# KiCad board isw-trishna-pcb.kicad_pcb
title: ISW-TRISHNA; rev: 1.1
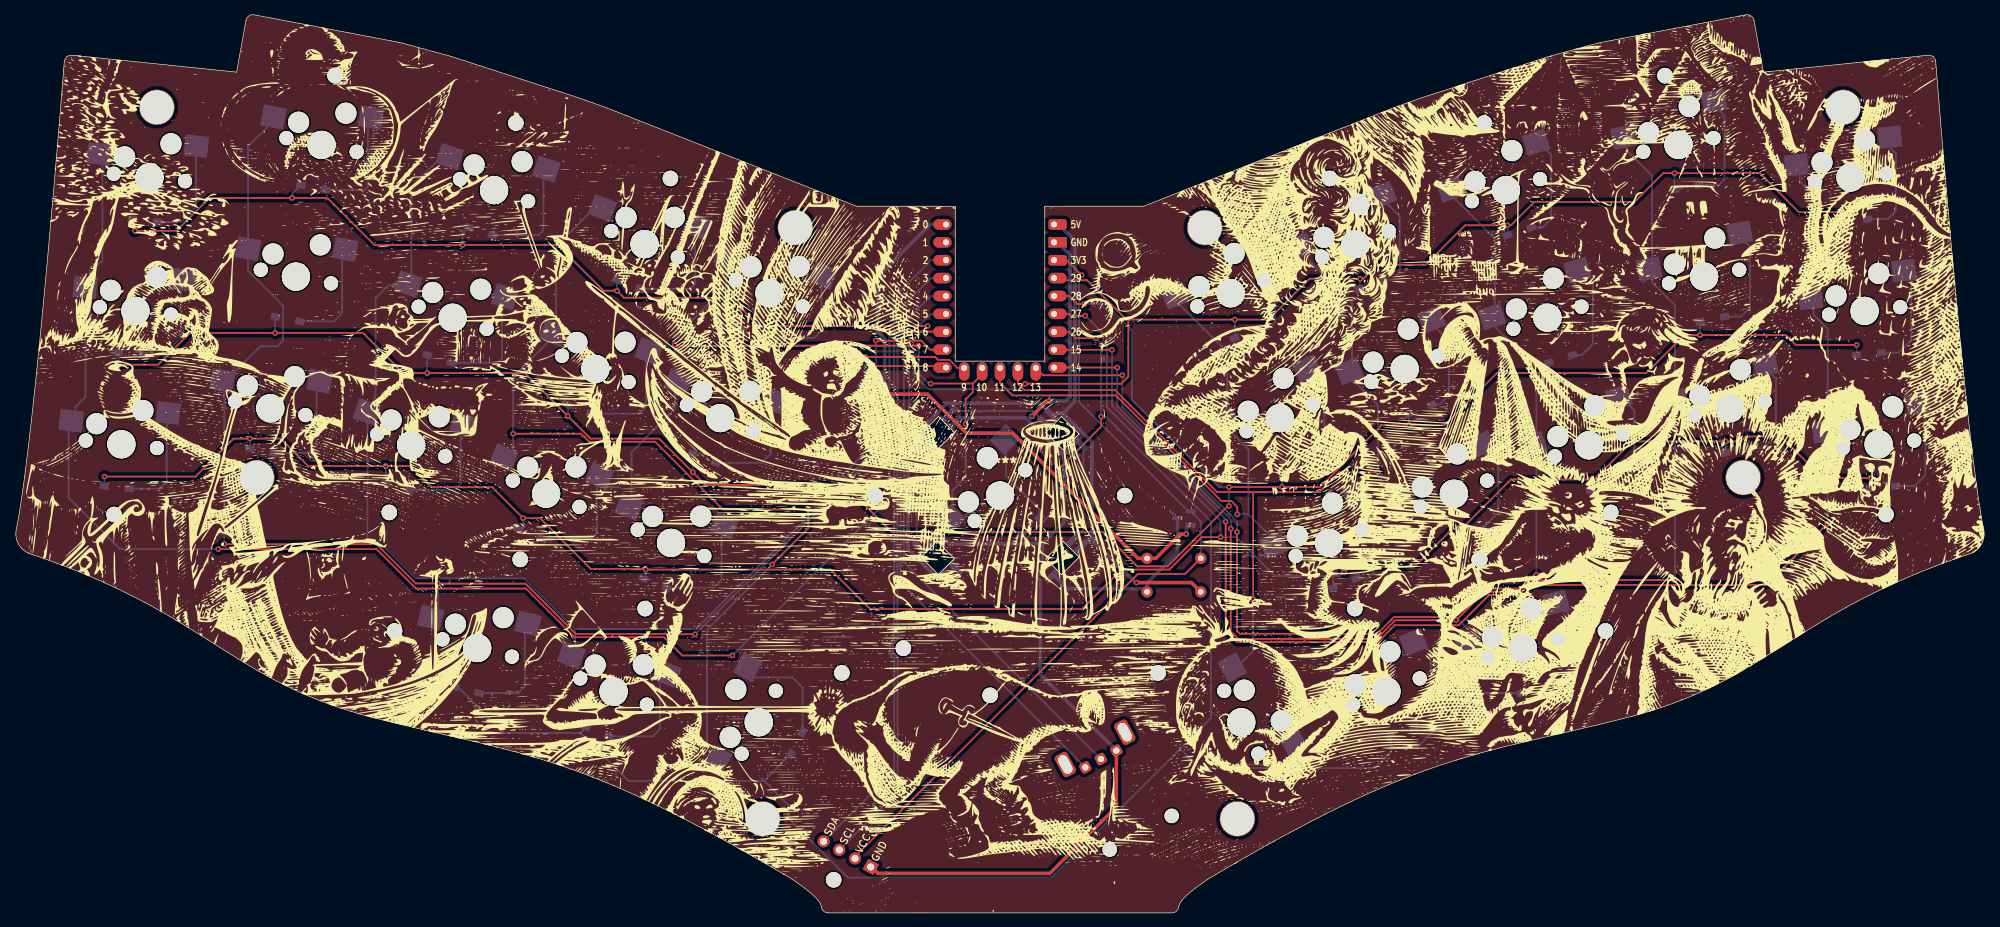
[diagram p0: board, top side]
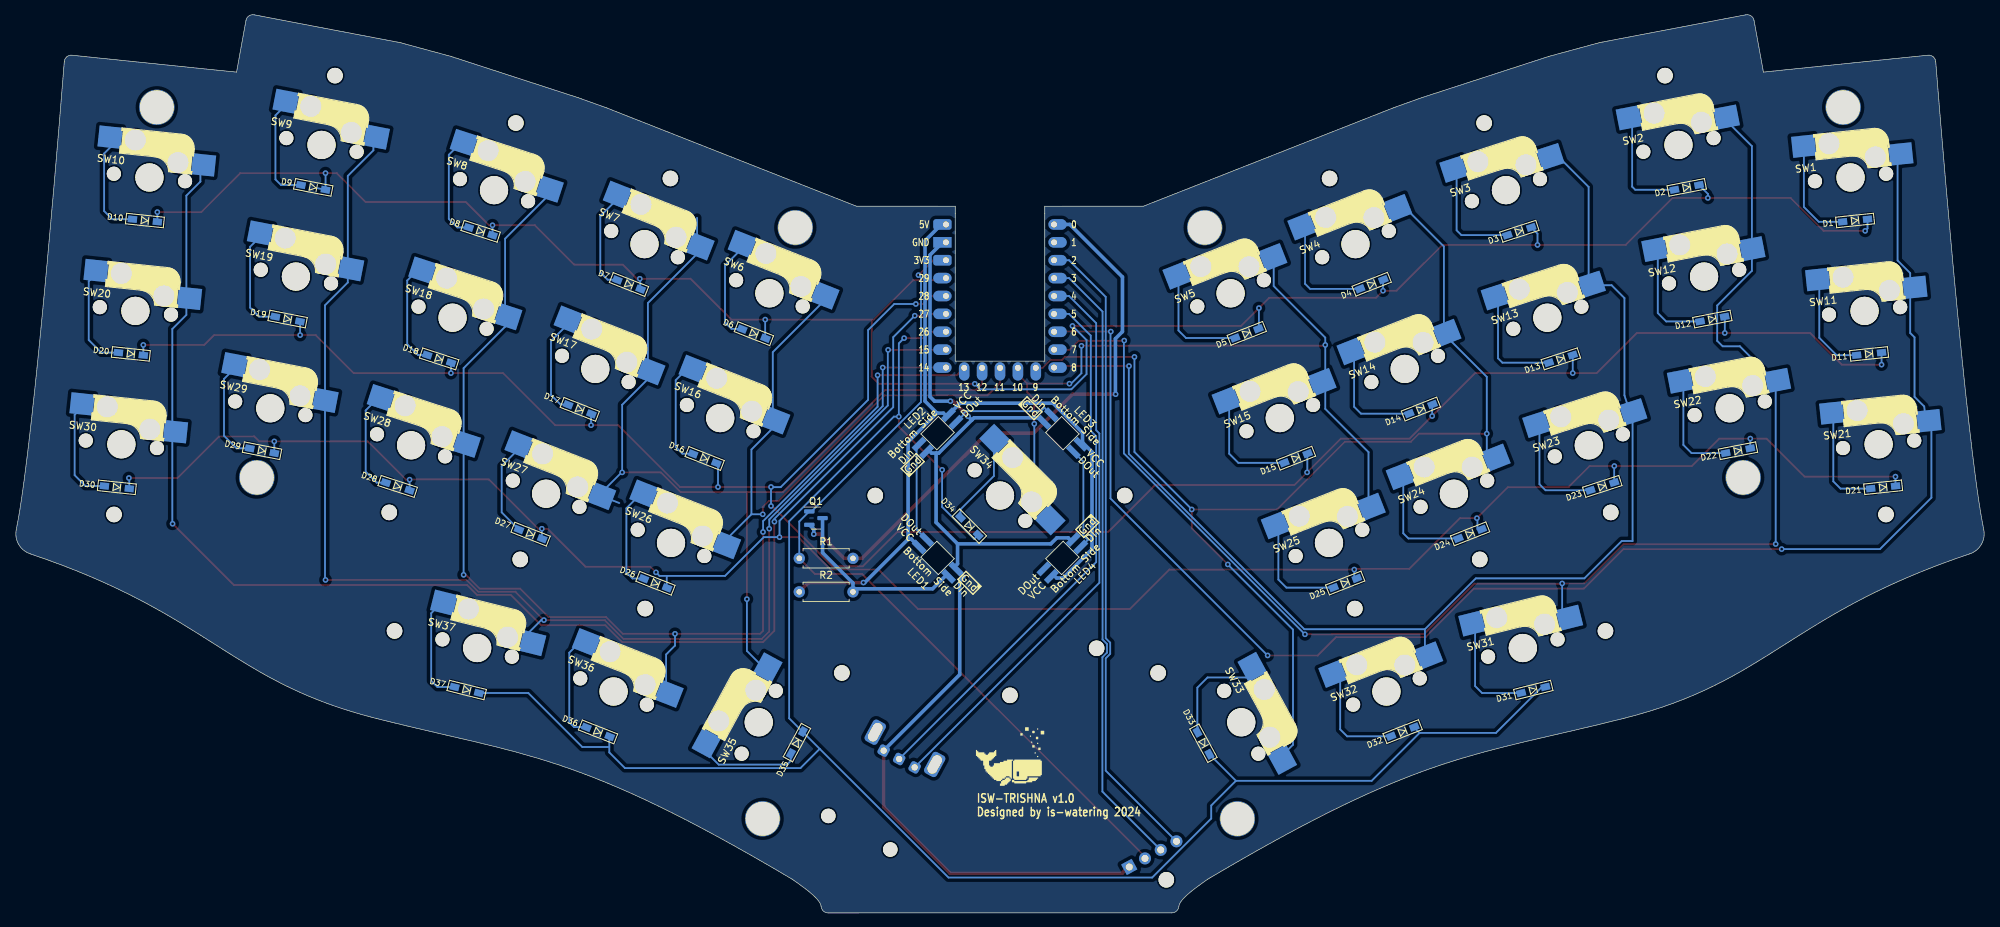
[diagram p1: board, bottom side, seen from below]

Outline 279.83 x 127.65 mm; copper layers: Top, Bottom. Coordinates in mm from the lower left corner of the outline.
Outline path: 8.23,121.81 31.57,119.41 32.91,126.76 ; 34.08,127.55 54.8,123.6 62,121.65 80.11,115.76 84.1,114.33 101.82,107.35 ; 101.82,107.35 119.54,100.37 133.56,100.36 133.56,99.36 ; 146.26,99.36 146.26,100.36 160.29,100.37 178.01,107.35 195.73,114.33 199.72,115.76 217.83,121.65 225.03,123.6 245.75,127.55 ; 246.92,126.76 248.26,119.41 271.6,121.81

## Placement (name value [footprint] x y rotation side)
D1  D  [Diode_SMD]  18.57 98.34 354 top
D2  D  [Diode_SMD]  42.46 103.04 349 top
D3  D  [Diode_SMD]  66.21 96.81 342 top
D4  D  [Diode_SMD]  87.17 89.28 338.5 top
D5  D  [Diode_SMD]  104.89 82.3 338.5 top
D6  D  [Diode_SMD]  174.84 82.26 21.5 top
D7  D  [Diode_SMD]  192.56 89.25 21.5 top
D8  D  [Diode_SMD]  213.62 96.8 18 top
D9  D  [Diode_SMD]  237.37 103.04 11 top
D10  D  [Diode_SMD]  261.26 98.34 6 top
D11  D  [Diode_SMD]  16.58 79.39 354 top
D12  D  [Diode_SMD]  38.82 84.34 349 top
D13  D  [Diode_SMD]  60.33 78.69 342 top
D14  D  [Diode_SMD]  80.18 71.56 338.5 top
D15  D  [Diode_SMD]  97.91 64.58 338.5 top
D16  D  [Diode_SMD]  181.82 64.54 21.5 top
D17  D  [Diode_SMD]  199.55 71.52 21.5 top
D18  D  [Diode_SMD]  219.5 78.69 18 top
D19  D  [Diode_SMD]  241.01 84.34 11 top
D20  D  [Diode_SMD]  263.25 79.39 6 top
D21  D  [Diode_SMD]  14.58 60.45 354 top
D22  D  [Diode_SMD]  35.19 65.64 349 top
D23  D  [Diode_SMD]  54.44 60.57 342 top
D24  D  [Diode_SMD]  73.2 53.84 338.5 top
D25  D  [Diode_SMD]  90.93 46.85 338.5 top
D26  D  [Diode_SMD]  188.8 46.81 21.5 top
D27  D  [Diode_SMD]  206.53 53.8 21.5 top
D28  D  [Diode_SMD]  225.39 60.57 18 top
D29  D  [Diode_SMD]  244.64 65.64 11 top
D30  D  [Diode_SMD]  265.25 60.45 6 top
D31  D  [Diode_SMD]  64.23 31.66 346 top
D32  D  [Diode_SMD]  82.77 25.75 338.5 top
D33  D  [Diode_SMD]  111.05 24.1 61.5 top
D34  D  [Diode_SMD]  144.26 54.93 45 top
D35  D  [Diode_SMD]  168.73 24.19 298.5 top
D36  D  [Diode_SMD]  196.96 25.71 21.5 top
D37  D  [Diode_SMD]  215.6 31.66 14 top
G***  LOGO  [f_bg]  139.91 63.84 0 top
G***#2  LOGO  [logomark_m]  138.4 21.78 180 bottom
J1  OLED-128x32  [StickPointV]  112.2 9.8 61.5 top
LED1  LED_SK6812MINI-E  [LED_SK6812MINI-E_BL]  148.77 50.42 45 top
LED2  LED_SK6812MINI-E  [LED_SK6812MINI-E_BL]  148.77 68.13 135 top
LED3  LED_SK6812MINI-E  [LED_SK6812MINI-E_BL]  131.06 68.13 225 top
LED4  LED_SK6812MINI-E  [LED_SK6812MINI-E_BL]  131.06 50.42 315 top
Q1  BSS138  [SOT-23]  166.03 56.07 180 bottom
R1  R  [R_Axial_DIN0207_L6.3mm_D2.5mm_P7.62mm_Horizontal]  168.4 50.36 180 bottom
R2  R  [R_Axial_DIN0207_L6.3mm_D2.5mm_P7.62mm_Horizontal]  168.4 45.6 180 bottom
RE_SW1  RotaryEncoder  [THQWGD001]  156.54 17.54 298.5 top
Ref1  Val1  [m2_Spacer_Hole]  20.26 114.42 0 top
Ref01  Val2  [m2_Screw_Hole]  45.54 118.91 0 top
Ref02  Val2  [m2_Screw_Hole]  71.21 112.18 0 top
Ref2  Val1  [m2_Spacer_Hole]  110.86 97.33 0 top
Ref03  Val2  [m2_Screw_Hole]  93.14 104.31 0 top
Ref3  Val1  [m2_Spacer_Hole]  168.97 97.33 0 top
Ref04  Val2  [m2_Screw_Hole]  186.69 104.31 0 top
Ref4  Val1  [m2_Spacer_Hole]  259.57 114.42 0 top
Ref05  Val2  [m2_Screw_Hole]  208.62 112.18 0 top
Ref5  Val1  [m2_Spacer_Hole]  245.38 61.83 0 top
Ref6  Val1  [m2_Spacer_Hole]  173.6 13.37 0 top
Ref06  Val2  [m2_Screw_Hole]  234.29 118.91 0 top
Ref07  Val2  [m2_Screw_Hole]  265.65 56.58 0 top
Ref7  Val1  [m2_Spacer_Hole]  106.23 13.36 0 top
Ref08  Val2  [m2_Screw_Hole]  226.59 56.88 0 top
Ref8  Val1  [m2_Spacer_Hole]  34.45 61.83 0 top
Ref09  Val2  [m2_Screw_Hole]  208 50.2 0 top
Ref010  Val2  [m2_Screw_Hole]  190.28 43.22 0 top
Ref011  Val2  [m2_Screw_Hole]  225.84 40.05 0 top
Ref012  Val2  [m2_Screw_Hole]  162.36 34.08 0 top
Ref013  Val2  [m2_Screw_Hole]  117.47 34.08 0 top
Ref014  Val2  [m2_Screw_Hole]  53.99 40.04 0 top
Ref015  Val2  [m2_Screw_Hole]  89.55 43.22 0 top
Ref016  Val2  [m2_Screw_Hole]  71.83 50.2 0 top
Ref017  Val2  [m2_Screw_Hole]  53.24 56.88 0 top
Ref018  Val2  [m2_Screw_Hole]  14.18 56.58 0 top
Ref019  Val2  [m2_Screw_Hole]  122.22 59.27 0 top
Ref020  Val2  [m2_Screw_Hole]  157.61 59.27 0 top
Ref021  Val2  [m2_Screw_Hole]  126.2 37.58 0 top
Ref022  Val2  [m2_Screw_Hole]  138.5 30.9 0 top
Ref23  Val2  [m2_Screw_Hole]  116.31 4.7 0 top
SW1  SW_Push  [CherryMX_Hotswap_1u]  19.21 104.45 354 top
SW2  SW_Push  [CherryMX_Hotswap_1u]  43.63 109.07 349 top
SW3  SW_Push  [CherryMX_Hotswap_1u]  68.11 102.65 342 top
SW4  SW_Push  [CherryMX_Hotswap_1u]  89.47 94.98 338.5 top
SW5  SW_Push  [CherryMX_Hotswap_1u]  107.19 88 338.5 top
SW6  SW_Push  [CherryMX_Hotswap_1u]  172.64 88 21.5 top
SW7  SW_Push  [CherryMX_Hotswap_1u]  190.36 94.98 21.5 top
SW8  SW_Push  [CherryMX_Hotswap_1u]  211.72 102.65 18 top
SW9  SW_Push  [CherryMX_Hotswap_1u]  236.2 109.07 11 top
SW10  SW_Push  [CherryMX_Hotswap_1u]  260.62 104.45 6 top
SW11  SW_Push  [CherryMX_Hotswap_1u]  17.22 85.5 354 top
SW12  SW_Push  [CherryMX_Hotswap_1u]  39.99 90.37 349 top
SW13  SW_Push  [CherryMX_Hotswap_1u]  62.24 84.53 342 top
SW14  SW_Push  [CherryMX_Hotswap_1u]  82.48 77.26 338.5 top
SW15  SW_Push  [CherryMX_Hotswap_1u]  100.21 70.28 338.5 top
SW16  SW_Push  [CherryMX_Hotswap_1u]  179.62 70.28 21.5 top
SW17  SW_Push  [CherryMX_Hotswap_1u]  197.35 77.26 21.5 top
SW18  SW_Push  [CherryMX_Hotswap_1u]  217.6 84.53 18 top
SW19  SW_Push  [CherryMX_Hotswap_1u]  239.84 90.37 11 top
SW20  SW_Push  [CherryMX_Hotswap_1u]  262.61 85.5 6 top
SW21  SW_Push  [CherryMX_Hotswap_1u]  15.23 66.56 354 top
SW22  SW_Push  [CherryMX_Hotswap_1u]  36.36 71.67 349 top
SW23  SW_Push  [CherryMX_Hotswap_1u]  56.35 66.41 342 top
SW24  SW_Push  [CherryMX_Hotswap_1u]  75.5 59.53 338.5 top
SW25  SW_Push  [CherryMX_Hotswap_1u]  93.23 52.55 338.5 top
SW26  SW_Push  [CherryMX_Hotswap_1u]  186.6 52.55 21.5 top
SW27  SW_Push  [CherryMX_Hotswap_1u]  204.33 59.53 21.5 top
SW28  SW_Push  [CherryMX_Hotswap_1u]  223.49 66.41 18 top
SW29  SW_Push  [CherryMX_Hotswap_1u]  243.47 71.67 11 top
SW30  SW_Push  [CherryMX_Hotswap_1u]  264.6 66.56 6 top
SW31  SW_Push  [CherryMX_Hotswap_1u]  65.72 37.62 346 top
SW32  SW_Push  [CherryMX_Hotswap_1u]  85.07 31.44 338.5 top
SW33  SW_Push  [CherryMX_Hotswap_1.5u]  105.67 27.08 61.5 top
SW34  SW_Push  [CherryMX_Hotswap_1u]  139.91 59.27 45 top
SW35  SW_Push  [CherryMX_Hotswap_1.5u]  174.16 27.08 298.5 top
SW36  SW_Push  [CherryMX_Hotswap_1u]  194.75 31.44 21.5 top
SW37  SW_Push  [CherryMX_Hotswap_1u]  214.11 37.62 14 top
U1  rp2040-zero  [RP2040-Zero-THT]  139.91 87.61 180 bottom

## Library data of the parts
D1-D37 = -: Sim.Pins: 1=K 2=A; ki_fp_filters: TO-???* *_Diode_* *SingleDiode* D_*
LED1-LED4 = -: Field4: Light Side
Q1 = -: Datasheet: https://www.onsemi.com/pub/Collateral/BSS138-D.PDF; ki_fp_filters: SOT?23*
R1 = -: Datasheet: 1K; ki_fp_filters: R_*
R2 = -: Datasheet: 560; ki_fp_filters: R_*
RE_SW1 = -: Description: Rotary encoder, dual channel, incremental quadrate outputs; ki_fp_filters: RotaryEncoder*

## Footprints (pads in the part's own frame, mm; a bottom-side part is the same pattern mirrored in y, then rotated)
CherryMX_Hotswap_1.5u
  round 2 hole 2 unplated: (-5.08,0) (5.08,0)
  round 3 hole 3 unplated: (-3.81,2.54) (2.54,5.08)
  round 4 hole 4 unplated: (0,0)
  rect 3.3x3 smd far side: 1(-7,2.58) 2(5.7,5.12)
CherryMX_Hotswap_1u
  round 2 hole 2 unplated: (-5.08,0) (5.08,0)
  round 3 hole 3 unplated: (-3.81,2.54) (2.54,5.08)
  round 4 hole 4 unplated: (0,0)
  rect 3.3x3 smd far side: 1(-7,2.58) 2(5.7,5.12)
Diode_SMD
  rect 1.3x0.95 smd far side: 1(-1.775,0) 2(1.775,0)
LED_SK6812MINI-E_BL
  rect 2.2x0.82 smd far side: 1(2.6,0.75) 2(-2.6,0.75) 3(-2.6,-0.75) 4(2.6,-0.75)
m2_Screw_Hole
  round 2.2 hole 2.2 unplated: (0,0)
m2_Spacer_Hole
  round 5 hole 4.8 unplated: (0,0)
R_Axial_DIN0207_L6.3mm_D2.5mm_P7.62mm_Horizontal
  round 1.6 hole 0.8: 1(0,0)
  oval 1.6x1.6 hole 0.8: 2(7.62,0)
RP2040-Zero-THT
  oval 2.6x1.5 hole 0.85: 0(7.67,10.16) 1(7.67,7.62) 2(7.67,5.08) 3(7.67,2.54) 4(7.67,0) 5(7.67,-2.54) 6(7.67,-5.08) 7(7.67,-7.62) 8(7.67,-10.16) 14(-7.67,-10.16) 15(-7.67,-7.62) 26(-7.67,-5.08) 27(-7.67,-2.54) 28(-7.67,0) 29(-7.67,2.54)
  oval 1.5x2.6 hole 0.85: 9(5.08,-10.21) 10(2.54,-10.21) 11(0,-10.21) 12(-2.54,-10.21) 13(-5.08,-10.21)
  rrect 2.6x1.5 hole 0.85: 30(-7.67,5.08) 32(-7.67,10.16)
  rect 2.6x1.5 hole 0.85: 31(-7.67,7.62)
SOT-23
  rrect 1.475x0.6 smd: 1(-0.938,0.95) 2(-0.938,-0.95) 3(0.938,0)
StickPointV
  rect 1.7x1.7 hole 1: 1(1.6,-9.8)
  round 1.7 hole 1: 2(1.6,-7.26) 3(1.6,-4.72) 4(1.6,-2.18)
THQWGD001
  round 2.05 hole 2.05 unplated: (7,5) (7,-5)
  rrect 1.5x1.5 hole 0.9: A(-4.9,-2.475) B(-4.9,0.025) C(-4.9,2.525)
  rrect 3.4x2 hole 2.8x1.4: MP(-6.625,4.825) MP(-6.625,-4.775)

## Nets
+3V3: J1.2 Q1.1 R1.1 U1.30
+5V: LED1.4 LED2.4 LED3.4 LED4.4 R2.1 U1.32
GND: J1.1 LED1.2 LED2.2 LED3.2 LED4.2 RE_SW1.C U1.31
Col0: SW1.1 SW11.1 SW21.1 U1.6
Col1: SW2.1 SW12.1 SW22.1 SW31.1 U1.7
Col2: SW3.1 SW13.1 SW23.1 SW32.1 U1.8
Col3: SW4.1 SW14.1 SW24.1 SW33.1 U1.9
Col4: SW5.1 SW15.1 SW25.1 SW34.1 U1.10
Col5: SW6.1 SW16.1 SW26.1 U1.11
Col6: SW7.1 SW17.1 SW27.1 SW35.1 U1.12
Col7: SW8.1 SW18.1 SW28.1 SW36.1 U1.13
Col8: SW9.1 SW19.1 SW29.1 SW37.1 U1.14
Col9: SW10.1 SW20.1 SW30.1 U1.15
LED3.3V: Q1.2 R1.2 U1.0
LED5V: LED1.3 Q1.3 R2.2
RE0A: RE_SW1.A U1.4
RE0B: RE_SW1.B U1.5
Row0: D1.1 D2.1 D3.1 D4.1 D5.1 D6.1 D7.1 D8.1 D9.1 D10.1 U1.29
Row1: D11.1 D12.1 D13.1 D14.1 D15.1 D16.1 D17.1 D18.1 D19.1 D20.1 U1.28
Row2: D21.1 D22.1 D23.1 D24.1 D25.1 D26.1 D27.1 D28.1 D29.1 D30.1 U1.27
Row3: D31.1 D32.1 D33.1 D34.1 D35.1 D36.1 D37.1 U1.26
SCL: J1.3 U1.3
SDA: J1.4 U1.2
Net-(D1-A): D1.2 SW1.2
Net-(D2-A): D2.2 SW2.2
Net-(D3-A): D3.2 SW3.2
Net-(D4-A): D4.2 SW4.2
Net-(D5-A): D5.2 SW5.2
Net-(D6-A): D6.2 SW6.2
Net-(D7-A): D7.2 SW7.2
Net-(D8-A): D8.2 SW8.2
Net-(D9-A): D9.2 SW9.2
Net-(D10-A): D10.2 SW10.2
Net-(D11-A): D11.2 SW11.2
Net-(D12-A): D12.2 SW12.2
Net-(D13-A): D13.2 SW13.2
Net-(D14-A): D14.2 SW14.2
Net-(D15-A): D15.2 SW15.2
Net-(D16-A): D16.2 SW16.2
Net-(D17-A): D17.2 SW17.2
Net-(D18-A): D18.2 SW18.2
Net-(D19-A): D19.2 SW19.2
Net-(D20-A): D20.2 SW20.2
Net-(D21-A): D21.2 SW21.2
Net-(D22-A): D22.2 SW22.2
Net-(D23-A): D23.2 SW23.2
Net-(D24-A): D24.2 SW24.2
Net-(D25-A): D25.2 SW25.2
Net-(D26-A): D26.2 SW26.2
Net-(D27-A): D27.2 SW27.2
Net-(D28-A): D28.2 SW28.2
Net-(D29-A): D29.2 SW29.2
Net-(D30-A): D30.2 SW30.2
Net-(D31-A): D31.2 SW31.2
Net-(D32-A): D32.2 SW32.2
Net-(D33-A): D33.2 SW33.2
Net-(D34-A): D34.2 SW34.2
Net-(D35-A): D35.2 SW35.2
Net-(D36-A): D36.2 SW36.2
Net-(D37-A): D37.2 SW37.2
Net-(LED1-DOUT): LED1.1 LED2.3
Net-(LED2-DOUT): LED2.1 LED3.3
Net-(LED3-DOUT): LED3.1 LED4.3

Pads without a net: LED4 1; RE_SW1 MP; U1 1

## Via types
v1: diameter 0.8, hole 0.4, Top to Bottom, 76 vias

## Routing (per net, layer and track width the routed paths; a pad name or vN(x,y) marks a point on that pad's centre or on a via; arc(x,y) is an arc through that point)
+3V3: length 119.4
  Top w0.25: R1.1 166.18,48.14 159.47,48.14 119.34,8 J1.2 ; U1.30 149.37,92.69 v1(151.48,90.58)
  Bottom w0.25: R1.1 168.4,55.59 Q1.1 166.65,57.02 151.13,72.54 151.13,90.23 v1(151.48,90.58)
+5V: length 118
  Top w0.5: v1(159.29,46.92) 167.08,46.92 R2.1
  Bottom w0.5: v1(159.29,46.92) 159.1,46.92 152.95,53.07 ; 128.21,66.82 128.21,68.2 132.39,72.38 145.58,72.38 147.46,70.5 147.94,70.98 148.86,70.98 ; 128.21,66.82 LED3.4 ; 128.21,66.82 126.86,65.47 126.86,51.66 130.95,47.56 131.88,47.56 LED4.4 ; U1.32 148.23,97.77 150.55,95.46 150.55,72.67 148.86,70.98 ; 148.86,70.98 152.95,66.88 152.95,53.07 ; LED1.4 152.49,53.07 152.95,53.07
GND: length 162.6
  Top w0.5: v1(146.95,72.68) 146.59,72.68 v1(144.45,70.53) ; RE_SW1.C 156.42,15.05 146.99,5.61 122.6,5.61 121.6,6.61
  Bottom w0.5: 148.98,65.31 148.98,55.46 145.94,52.42 ; 148.98,65.31 149.62,65.31 LED2.2 ; 148.98,65.31 148.61,65.31 143.91,70 ; LED3.2 134.31,70.32 143.59,70.32 143.91,70 ; 143.91,70 v1(144.45,70.53) ; U1.31 148.04,95.23 149.84,93.44 149.84,73.32 149.2,72.68 v1(146.95,72.68) ; RE_SW1.C 145.63,33.84 145.63,47.19 145.06,47.76 LED1.2 145.94,49.57 145.94,52.42 ; 145.94,52.42 132.7,52.42 131.85,53.27 130.23,53.27 LED4.2
Col0: length 217.5
  Top w0.25: v1(124.18,82.56) 132.22,82.56 U1.6 ; v1(28.98,51.66) 51.44,51.66 57.03,46.06 72.64,46.06 79.53,39.16 92.21,39.16 94.81,36.56 v1(101.94,36.56)
  Bottom w0.25: v1(28.98,51.66) 15.04,51.66 7.73,58.96 7.73,69.05 SW21.1 8.75,71.92 10.13,73.3 10.13,81.75 10.74,82.36 10.74,90.87 12.54,92.66 12.54,107.73 SW1.1 ; v1(101.94,36.56) 124.24,58.86 124.24,82.51 v1(124.18,82.56)
Col1: length 209.3
  Top w0.25: v1(122.28,81.29) 122.31,81.26 128.74,81.26 130,79.99 U1.7 ; v1(96.64,39.56) 92.78,39.56 92.73,39.61 79.72,39.61 72.57,46.76 60.16,46.76 v1(60.14,46.79) 57.01,46.79 51.44,52.36 29.86,52.36 v1(29.83,52.39)
  Bottom w0.25: v1(29.83,52.39) 29.83,75.39 SW22.1 34.91,80.47 37.36,80.47 38.13,81.25 38.13,86.27 33.21,91.19 33.21,108.9 SW2.1 ; SW31.1 60.14,42.4 v1(60.14,46.79) ; v1(122.28,81.29) 122.34,81.24 122.34,65.26 v1(96.64,39.56)
Col2: length 176.4
  Top w0.25: U1.8 132.04,77.66 v1(121.61,77.66)
  Bottom w0.25: 79.61,40.29 79.61,36.51 79.46,36.36 ; 79.61,40.29 96.72,40.29 121.63,65.2 121.63,77.64 v1(121.61,77.66) ; 79.61,40.29 72.39,47.51 56.98,47.51 51.69,52.81 50.15,52.81 50.15,70.68 SW23.1 51.3,73.5 51.3,87.33 53.11,89.14 SW13.1 56.38,103.11 60.54,107.27 SW3.1
Col3: length 172.7
  Top w0.25: U1.9 133.87,77.4 132.74,78.53 131.14,78.53 130.7,78.96 v1(120.84,78.96) ; v1(107.59,49.49) 107.59,49.51 112.7,54.63 v1(112.7,57.3) 100.58,57.3 90.96,66.91 81.6,66.91 80.45,68.06 v1(70.84,68.06)
  Bottom w0.25: 77.84,83.13 70.84,76.13 v1(70.84,68.06) 70.84,65.39 69.89,64.45 ; 83.86,99.9 82.17,99.9 76.92,94.65 76.92,82.22 ; 70.88,65.44 SW24.1 ; SW33.1 98.34,23.89 98.34,40.24 v1(107.59,49.49) ; v1(112.7,57.3) 112.7,57.33 120.84,65.46 v1(120.84,78.96)
Col4: length 111.1
  Top w0.25: U1.10 137.37,76.5 136.05,75.18 ; 136.05,75.18 130.08,75.18 v1(130.06,75.16) ; 136.05,75.18 136.05,73.96 135.04,72.95 v1(135.04,69.46) ; v1(128.36,80.54) 128.34,80.56 93.85,80.56 v1(93.75,80.66)
  Bottom w0.25: v1(130.06,75.16) 129.84,75.16 128.36,76.64 v1(128.36,80.54) ; v1(135.04,69.46) 135.04,61.88 133.14,59.98 SW34.1 ; 101.58,92.92 101.07,92.41 101.07,89.02 93.75,81.7 v1(93.75,80.66) 93.75,71.58 87.62,65.45 87.62,57.47
Col5: length 86.8
  Top w0.25: U1.11 139.91,75.28 141.7,73.5 156.35,73.5 171.34,58.51 172.72,58.51 173.58,57.65 v1(173.58,56.61)
  Bottom w0.25: v1(173.58,56.61) 175.19,56.61 ; 175.19,56.61 179.14,52.66 SW26.1 ; 175.19,56.61 175.19,65.81 172.16,68.84 172.16,70.04 ; 165.18,87.77 165.18,86.62 172.16,79.64 SW16.1
Col6: length 135.6
  Top w0.25: 175.84,59.76 170.72,59.76 156.22,74.26 143.35,74.26 142.45,75.16 U1.12 ; 175.84,59.76 v1(175.84,44.56) ; 175.84,59.76 185.24,59.76 188.03,62.56 v1(193.53,62.56)
  Bottom w0.25: SW35.1 175.84,37.21 v1(175.84,44.56) ; SW17.1 189.89,86.61 182.91,93.59 182.91,94.75 ; SW7.1 182.9,98.72 ; SW27.1 193.94,58.21 ; 196.87,59.3 193.61,62.56 v1(193.53,62.56) 193.53,72.16 189.89,75.81 189.89,77.03
Col7: length 170.8
  Top w0.25: 216.01,47.96 216.01,47.99 v1(216.03,48.01) ; v1(186.03,39.64) 173.96,39.64 173.54,40.06 v1(173.54,54.1) ; v1(186.03,39.64) 193.44,39.64 195.81,42.01 203.99,42.01 208.03,46.06 213.76,46.06 215.71,48.01 v1(216.03,48.01) ; v1(186.03,39.64) 186.01,39.66 ; v1(216.03,48.01) 215.96,48.01 215.91,47.96 ; v1(157.28,76.36) 146.04,76.36 U1.13
  Bottom w0.25: v1(216.03,48.01) 216.03,66.7 SW28.1 216.04,77.36 210.15,83.25 SW18.1 210.15,95.75 204.26,101.64 SW8.1 ; v1(173.54,54.1) 173.53,54.11 173.53,55.64 157.28,71.89 v1(157.28,76.36) ; SW36.1 187.3,36.7 186.03,37.96 v1(186.03,39.64)
Col8: length 189.4
  Top w0.25: 156.44,77.45 v1(156.56,77.45) U1.14 ; v1(235.63,47.29) 215.62,47.29 213.95,45.61 208.69,45.61 204.66,41.59 v1(204.63,41.59) 204.61,41.56 196,41.56 193.35,38.91 173.72,38.91 172.66,39.98 v1(172.66,54.56)
  Bottom w0.25: 206.69,39.53 206.69,39.91 205.01,41.59 v1(204.63,41.59) ; v1(235.63,47.29) 235.7,47.36 235.7,86.3 232.47,89.53 SW19.1 232.47,104.66 228.84,108.3 SW9.1 ; v1(156.56,77.45) 156.56,71.98 172.66,55.88 v1(172.66,54.56) 172.76,54.66 172.94,54.66
Col9: length 200.5
  Top w0.25: v1(257.34,55.26) 248.64,46.56 215.53,46.56 214.13,45.16 209.34,45.16 205.03,40.86 195.94,40.86 193.53,38.46 173.53,38.46 171.94,40.06 171.94,55.56 v1(171.93,55.56) ; U1.15 147.62,79.96 v1(155.79,79.96)
  Bottom w0.25: v1(171.93,55.56) 171.93,55.97 155.84,72.06 155.84,79.92 v1(155.79,79.96) ; v1(257.34,55.26) 257.37,55.3 SW30.1 257.37,82.93 255.38,84.92 SW20.1 255.38,101.87 253.39,103.86 SW10.1
LED3.3V: length 85.4
  Top w0.5: v1(166.35,53.79) 165.46,53.79 162.03,50.36 R1.2 159.49,50.36 141.72,68.13 135.18,68.13 129.64,73.66 v1(123.51,73.66)
  Bottom w0.5: U1.0 129.99,97.77 122.53,90.32 122.53,82.55 123.53,81.55 123.53,73.69 v1(123.51,73.66) ; v1(166.35,53.79) 166.35,54.5 Q1.2
LED5V: length 26.4
  Bottom w0.5: 147.46,48.05 149.48,46.04 160.78,46.04 ; 160.78,46.04 160.78,46.85 165.1,51.16 Q1.3 ; 160.78,46.04 R2.2
RE0A: length 81.7
  Bottom w0.25: RE_SW1.A 125.81,46.88 125.81,68.1 126.26,68.55 126.26,83.76 130.12,87.61 U1.4
RE0B: length 78.5
  Bottom w0.25: RE_SW1.B 126.26,49.82 126.26,67.69 127.03,68.46 127.03,81.99 130.12,85.07 U1.5
Row0: length 317.7
  Top w0.25: v1(129.63,83.36) 105.71,83.36 v1(103.17,85.9) 101.71,87.36 86.56,87.36 v1(85.56,88.36) 83.64,88.36 77.14,94.86 v1(63.64,94.86) 51.14,94.86 44.46,101.54 v1(39.46,101.54) ; 158.13,84.26 158.13,76.19 157.1,75.15 v1(143.49,75.15) ; v1(39.46,101.54) 27.71,101.54 23.04,96.86 v1(17.14,96.86) ; v1(39.46,101.54) 39.63,101.36 ; 259.46,99.56 v1(259.5,99.53) 253.27,99.53 247.74,105.06 v1(235.63,105.06) ; U1.29 147.88,89.86 152.24,89.86 157.84,84.26 v1(173.24,84.26) 178.03,84.26 183.84,90.06 v1(191.03,90.06) 191.44,90.06 193.44,92.06 200.34,92.06 205.94,97.66 v1(211.94,97.66) 212.44,97.66 215.74,100.96 229.94,100.96 234.04,105.06 v1(235.63,105.06) ; v1(235.63,105.06) 235.44,104.86
  Bottom w0.25: D1.1 16.8,97.2 v1(17.14,96.86) ; D8.1 211.93,97.66 v1(211.94,97.66) ; v1(143.49,75.15) 142.7,74.36 129.78,74.36 127.63,76.51 127.63,81.36 v1(129.63,83.36) ; v1(259.5,99.53) D10.1 ; 173.24,81.63 173.24,84.26 v1(173.24,84.26) ; v1(235.63,105.06) 235.63,105.06 D9.1 236.74,102.92 ; D3.1 63.64,96.46 v1(63.64,94.86) ; 40.72,103.38 39.46,102.12 v1(39.46,101.54) ; v1(103.17,85.9) 103.17,83.05 103.29,82.93 ; 190.97,88.6 190.97,90 v1(191.03,90.06) ; v1(85.56,88.36) 85.56,89.9
Row1: length 341.3
  Top w0.25: v1(261.49,80.66) 252.83,80.66 251.44,82.06 v1(239.24,82.06) 237.04,82.06 231.63,76.66 v1(217.84,76.66) 210.44,76.66 203.03,69.26 v1(197.95,69.26) 194.1,69.26 185.32,60.49 v1(179.94,60.49) v1(172.41,60.49) ; v1(151.86,86.48) 150.85,86.48 149.71,87.61 U1.28 ; v1(14.81,77.86) 20.43,77.86 24.93,82.36 v1(37.06,82.36) 49.53,82.36 55.23,76.66 v1(58.64,76.66) 72.48,76.66 v1(78.58,70.56) 81.78,67.36 91.53,67.36 v1(96.34,62.56) 98.12,60.78 117.87,60.78 124.55,54.1 154.5,54.1 159.38,49.22 163.69,49.22 172.26,57.79 v1(172.41,57.79) 172.41,57.69 172.44,57.66
  Bottom w0.25: v1(96.34,62.56) 96.3,62.6 96.3,65.19 ; 179.91,60.46 v1(179.94,60.49) 179.94,63.6 180.23,63.89 ; v1(14.81,77.86) D11.1 ; 172.38,60.46 v1(172.41,60.49) v1(172.41,57.79) ; 172.38,60.46 171.03,60.46 158.63,72.86 158.63,82.76 154.92,86.48 v1(151.86,86.48) ; 172.38,60.46 172.03,60.46 ; D12.1 37.06,84.65 v1(37.06,82.36) ; D18.1 217.84,78.12 v1(217.84,76.66) ; D19.1 239.24,83.97 v1(239.24,82.06) ; v1(58.64,76.66) 58.64,79.23 D13.1 ; v1(261.49,80.66) D20.1 ; v1(197.95,69.26) 197.95,70.88 ; v1(78.58,70.56) 78.58,72.19
Row2: length 340.6
  Top w0.25: v1(152.01,84.82) 149.97,84.82 149.71,85.07 U1.27 ; v1(12.83,61.96) 25.73,61.96 31.14,67.36 v1(33.44,67.36) 37.83,67.36 41.73,63.46 v1(52.73,63.46) 56.23,63.46 59.24,60.46 67.84,60.46 v1(72.23,56.06) 74.64,56.06 81.84,48.86 89.53,48.86 v1(89.64,48.76) 115.88,48.76 121.48,43.16 151.55,43.16 157.16,48.77 163.94,48.77 168.54,53.36 v1(171.21,53.36) ; 263.33,61.96 v1(263.54,61.76) 256.63,61.76 250.74,67.66 245.74,67.66 245.04,66.96 v1(242.9,66.96) 229.63,66.96 224.2,61.53 v1(223.7,61.53) 223.67,61.56 212.44,61.56 205.44,54.56 v1(204.94,54.56) 204.13,54.56 198.74,49.16 189.53,49.16 v1(188.74,48.36)
  Bottom w0.25: v1(52.73,63.46) 52.75,63.45 D23.1 ; v1(263.54,61.76) 263.48,61.71 D30.1 ; v1(12.83,61.96) 12.83,60.65 D21.1 ; v1(89.64,48.76) 89.64,47.79 89.32,47.47 ; v1(72.23,56.06) 72.16,55.99 72.16,54.45 ; v1(204.94,54.56) 204.93,54.56 204.93,53.15 ; v1(242.9,66.96) D29.1 ; v1(223.7,61.53) D28.1 ; 187.21,47.86 178.94,47.86 173.44,53.36 v1(171.21,53.36) 171.2,53.37 171.2,55.69 155.07,71.82 155.07,81.76 v1(152.01,84.82) ; 187.21,47.86 188.24,47.86 v1(188.74,48.36) ; 187.21,47.86 187.21,46.17 ; v1(33.44,67.36) 33.45,67.35 D22.1 33.26,65.79
Row3: length 281.5
  Top w0.25: v1(154.27,70.49) 154.27,69.07 v1(148.13,62.93) ; v1(153.52,81.63) 150.61,81.63 149.71,82.53 U1.26
  Bottom w0.25: 106.43,18.76 D33.1 110.22,22.56 110.22,22.58 ; 106.43,18.76 87.17,18.76 80.37,25.56 ; 106.43,18.76 109.94,15.26 109.94,13.4 118.32,5.02 147.22,5.02 165.5,23.3 ; 81.14,26.33 81.17,26.36 80.37,25.56 ; 165.5,23.3 168.24,20.56 193.13,20.56 195.36,22.79 195.36,25.06 ; 165.5,23.3 169.84,27.64 169.84,55.63 154.97,70.49 v1(154.27,70.49) 154.27,80.88 v1(153.52,81.63) ; D37.1 206.85,31.23 199.19,23.56 195.36,23.56 ; D31.1 63.01,32.09 69.53,25.56 80.37,25.56 ; D34.1 143.57,53.11 148.13,57.66 v1(148.13,62.93)
SCL: length 89.3
  Bottom w0.25: J1.3 125.38,17.23 125.38,36.32 124.73,36.97 124.73,38.19 125.36,38.83 125.36,85.4 130.12,90.15 U1.3
SDA: length 91.5
  Bottom w0.25: J1.4 124.91,20.2 124.91,36.15 124.28,36.79 124.28,38.38 124.91,39.01 124.91,87.49 130.12,92.69 U1.2
Net-(D1-A): length 15.2
  Bottom w0.25: SW1.2 25.83,108.52 25.83,100.26 23.72,98.15 D1.2
Net-(D2-A): length 16.1
  Bottom w0.25: D2.2 49.76,102.7 50.2,103.14 SW2.2
Net-(D3-A): length 16.3
  Bottom w0.25: SW3.2 75.12,96.95 74.43,96.26 D3.2
Net-(D4-A): length 16.4
  Bottom w0.25: 96.62,97.72 96.62,89.35 95.9,88.63 88.87,88.63
Net-(D5-A): length 16.5
  Bottom w0.25: 106.6,81.65 113.52,81.65 114.59,82.71 114.59,90.41 114.37,90.63 SW5.2
Net-(D6-A): length 15.6
  Bottom w0.25: 176.01,94.88 178.94,91.95 178.94,83.86 178.02,82.95 176.54,82.95 ; SW6.2 176.5,94.42
Net-(D7-A): length 14.9
  Bottom w0.25: 194.26,89.93 195.6,89.93 196.63,90.96 196.63,98.96 193.73,101.86
Net-(D8-A): length 15.7
  Bottom w0.25: D8.2 216.92,97.35 218.13,98.56 218.13,107.66 216.52,109.28 SW8.2
Net-(D9-A): length 15.8
  Bottom w0.25: SW9.2 242.74,113.27 242.74,104.16 241.95,103.38 D9.2
Net-(D10-A): length 15.5
  Bottom w0.25: SW10.2 265.75,109.15 267.05,107.85 267.05,99.68 265.89,98.52 D10.2
Net-(D11-A): length 14.7
  Bottom w0.25: SW11.2 23.65,89.77 23.65,81.67 21.18,79.21 D11.2
Net-(D12-A): length 15.6
  Bottom w0.25: D12.2 45.37,84 46.57,85.2 SW12.2
Net-(D13-A): length 16.4
  Bottom w0.25: D13.2 68.61,78.14 69.24,78.77 SW13.2
Net-(D14-A): length 16.2
  Bottom w0.25: SW14.2 89.66,71.89 88.67,70.9 81.89,70.9
Net-(D15-A): length 16
  Bottom w0.25: 99.61,63.92 106.09,63.92 107.39,65.22 107.39,72.95
Net-(D16-A): length 15.9
  Bottom w0.25: 183.52,65.22 184.99,65.22 185.94,66.16 185.94,75.66 184.44,77.16 182.99,77.16
Net-(D17-A): length 14.7
  Bottom w0.25: 200.71,84.14 203.63,81.22 203.63,73.56 202.28,72.21 201.24,72.21
Net-(D18-A): length 15.7
  Bottom w0.25: D18.2 222.51,79.24 224.03,80.76 224.03,89.82 222.69,91.16 SW18.2
Net-(D19-A): length 15.4
  Bottom w0.25: D19.2 245.05,84.68 246.33,85.96 246.33,94.6 SW19.2
Net-(D20-A): length 15.4
  Bottom w0.25: SW20.2 269.24,89.7 269.24,81.36 267.45,79.58 D20.2
Net-(D21-A): length 15.6
  Bottom w0.25: SW21.2 21.65,70.83 21.65,61.28 20.63,60.26 D21.2
Net-(D22-A): length 15.6
  Bottom w0.25: SW22.2 42.93,66.46 41.77,65.3 D22.2
Net-(D23-A): length 16.2
  Bottom w0.25: SW23.2 63.36,60.89 62.49,60.02 D23.2
Net-(D24-A): length 16.4
  Bottom w0.25: SW24.2 82.68,53.91 81.95,53.18 74.91,53.18
Net-(D25-A): length 16.1
  Bottom w0.25: SW25.2 100.41,47.34 99.27,46.2 92.63,46.2
Net-(D26-A): length 16.7
  Bottom w0.25: SW26.2 190.78,58.65 ; 190.5,47.5 192.07,47.5 192.94,48.36 192.94,57.46 190.97,59.43 189.97,59.43
Net-(D27-A): length 14.2
  Bottom w0.25: 207.69,66.41 210.63,63.47 210.63,56.89 208.22,54.48
Net-(D28-A): length 15.5
  Bottom w0.25: D28.2 228.39,61.12 229.94,62.66 229.94,71.36 228.26,73.04 SW28.2
Net-(D29-A): length 15.2
  Bottom w0.25: SW29.2 250.04,75.84 250.04,67.76 248.25,65.98 D29.2
Net-(D30-A): length 16.1
  Bottom w0.25: D30.2 269.7,60.63 271.24,62.16 271.24,70.75 SW30.2 269.37,71.87
Net-(D31-A): length 15.9
  Bottom w0.25: SW31.2 72.49,32.22 71.5,31.23 D31.2
Net-(D32-A): length 16.8
  Bottom w0.25: SW32.2 91.64,33.5 ; 84.47,25.08 90.65,25.08 91.64,26.06 91.64,33.58 92.23,34.18
Net-(D33-A): length 15.3
  Bottom w0.25: 111.91,25.71 111.91,31.99 110.46,33.44 104.98,33.44 SW33.2
Net-(D34-A): length 12.9
  Bottom w0.25: SW34.2 140.78,66.47 140.78,62.06 145.51,57.32 D34.2
Net-(D35-A): length 15.9
  Bottom w0.25: 169.62,22.59 169.62,21.58 170.13,21.06 179.84,21.06 181.4,22.63 181.4,24.57 ; 181.37,24.2 SW35.2
Net-(D36-A): length 16
  Bottom w0.25: 198.65,26.39 200.36,26.39 201.03,27.06 201.03,36.96 199.67,38.33 198.12,38.33
Net-(D37-A): length 16.1
  Bottom w0.25: D37.2 219.76,32.09 220.63,32.96 220.63,42.56 219.23,43.97 SW37.2
Net-(LED1-DOUT): length 15
  Bottom w0.25: LED2.3 151.75,66.22 151.75,54.45 LED1.1
Net-(LED2-DOUT): length 15.6
  Bottom w0.25: LED2.1 145.17,70.67 145.17,70.83 144.75,71.26 134.12,71.26 133.62,71.76 LED3.3
Net-(LED3-DOUT): length 15.5
  Bottom w0.25: LED3.1 128.08,64.09 128.08,53.63 127.43,52.98 LED4.3

## Copper pours and planes (outline as drawn; the poured copper is in the pictures)
(no net) on Top, Bottom: -4.14,131.32 281.61,131.32 281.61,-2.03 -4.14,-2.03

## Text on the board
B.Silkscreen: ISW-TRISHNA v1.0 / Designed by is-watering 2024
